# KiCad board reg.kicad_pcb (continued)
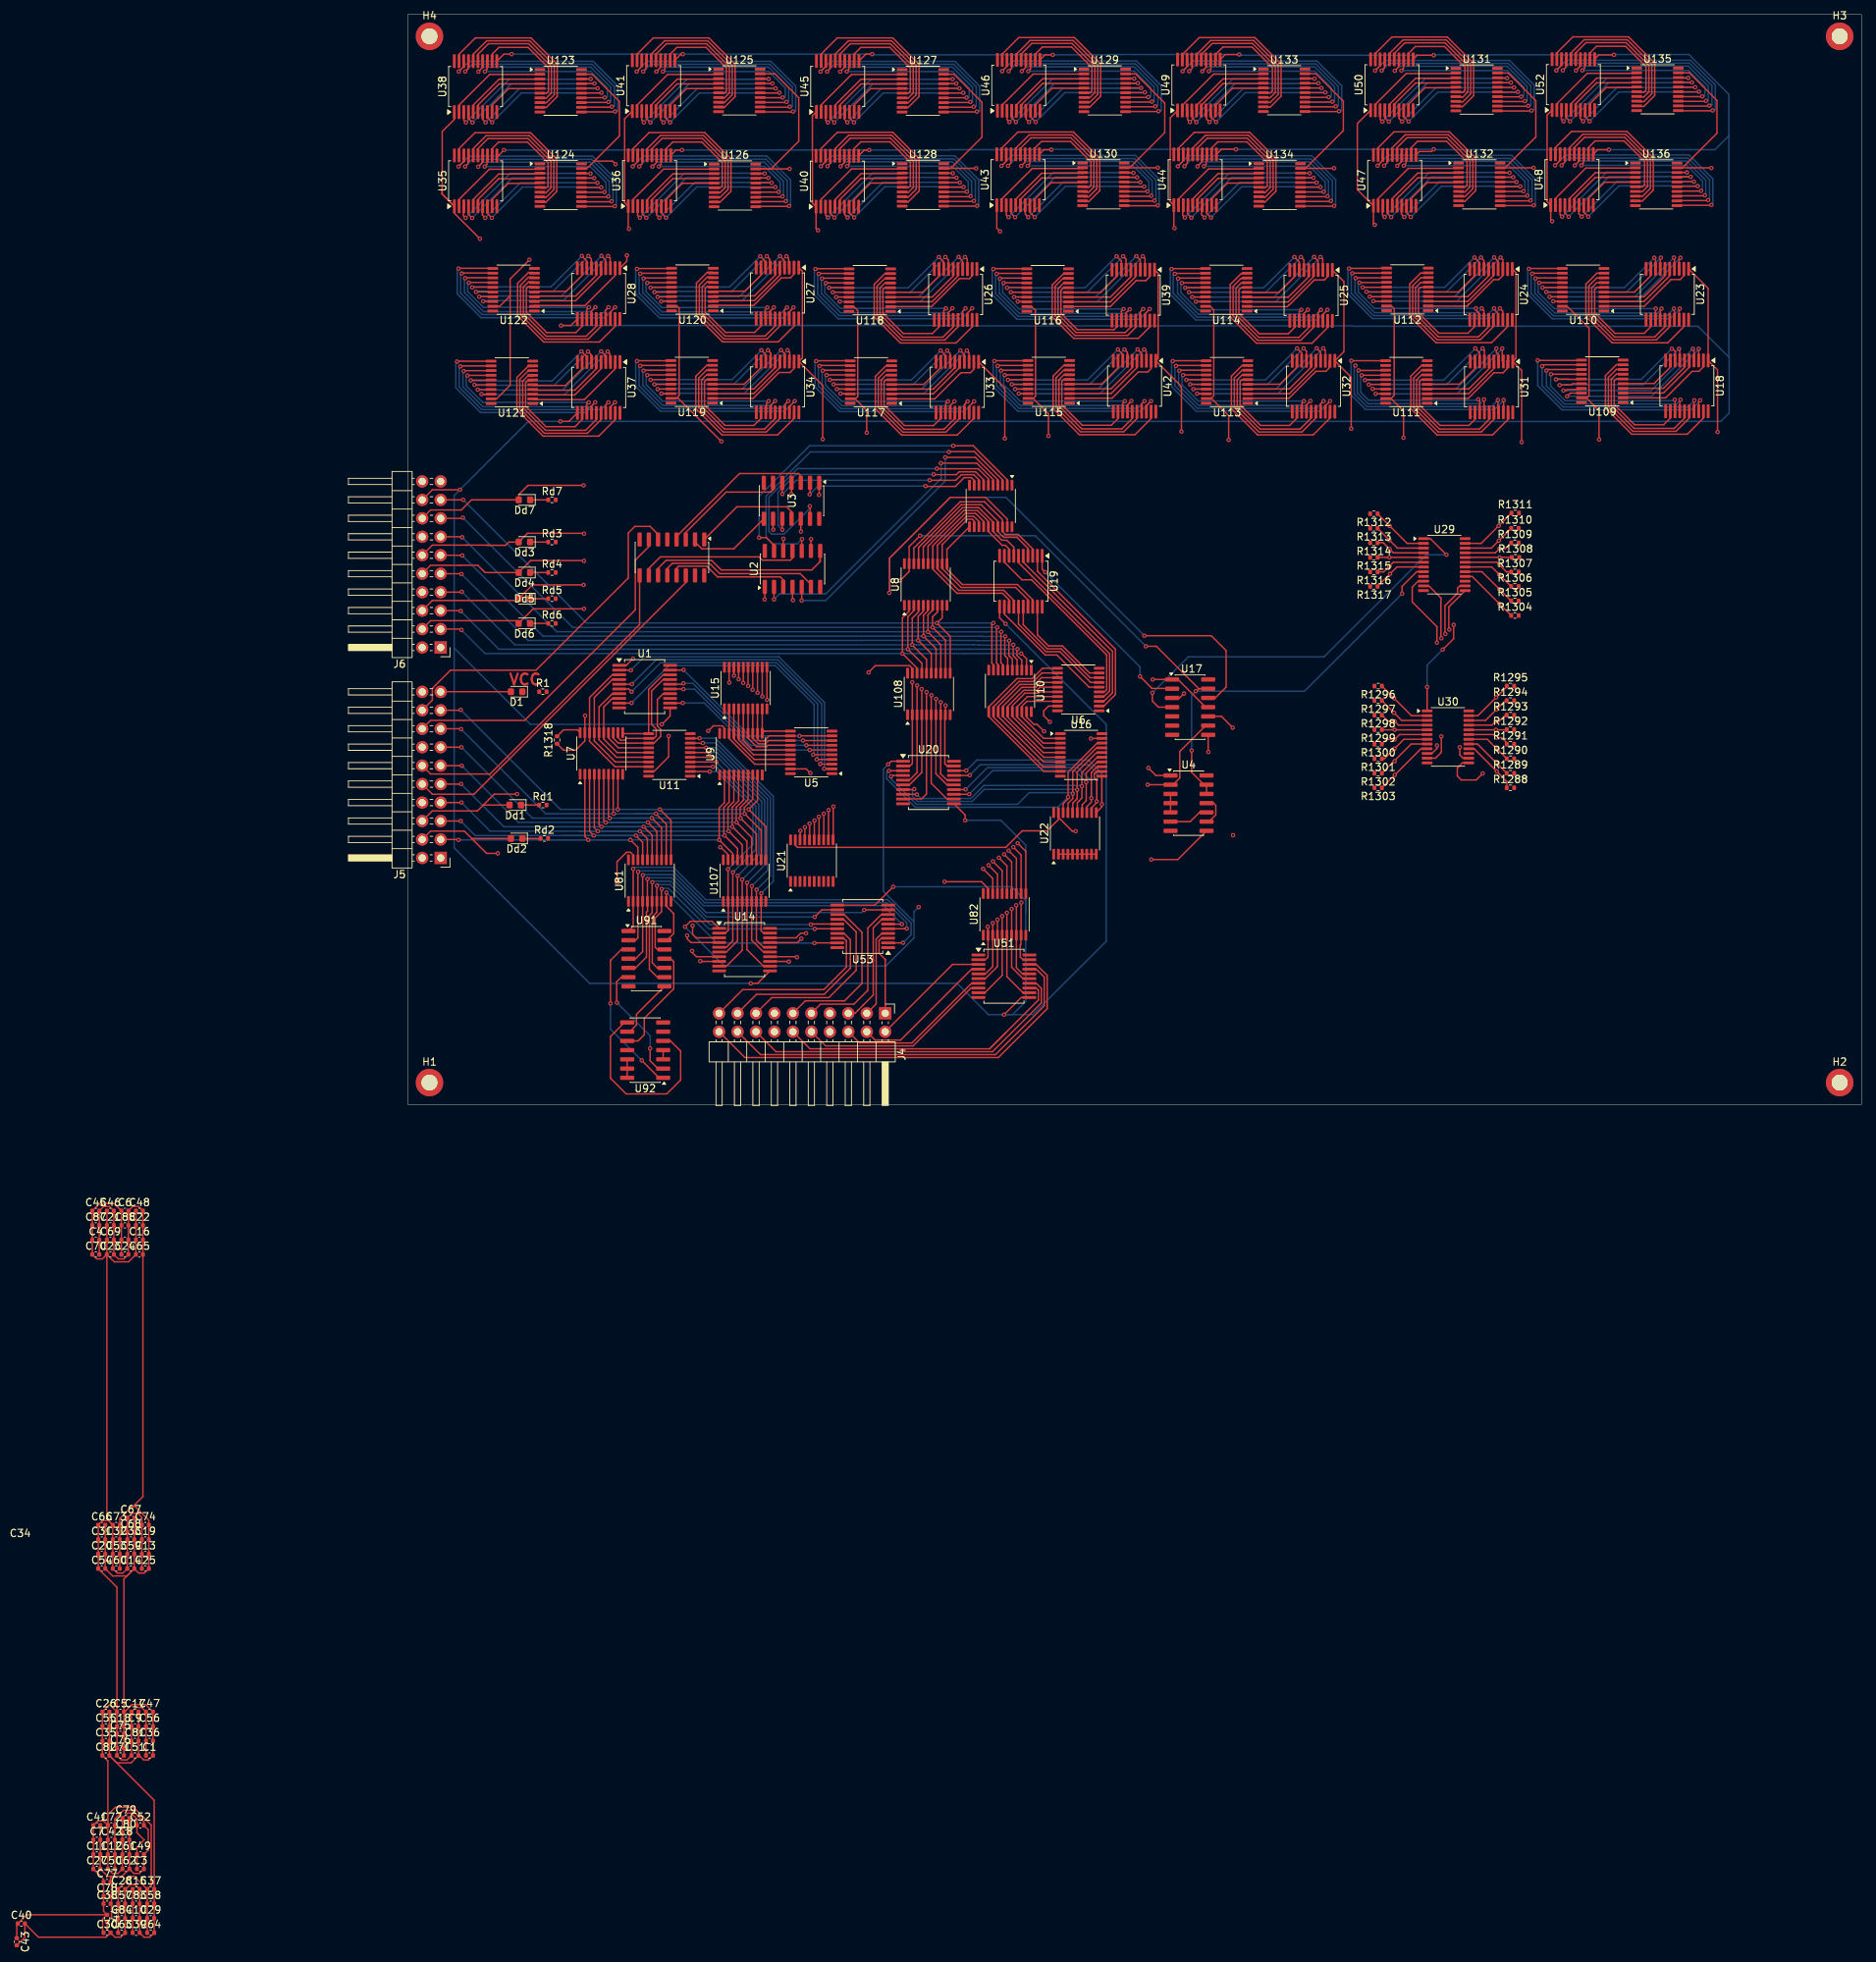
[diagram p0: board, top side]
## Routing (per net, layer and track width the routed paths; a pad name or vN(x,y) marks a point on that pad's centre or on a via; arc(x,y) is an arc through that point) (continued)
/data6: length 939.3
  Top w0.2: v1(27.61,96.62) 27.21,96.22 27.21,94.98 ; 8.32,143.8 8.32,142.56 v1(7.92,142.16) ; v1(7.24,101.57) 7.31,101.63 11.4,101.63 ; U18.17 176.96,96.84 v1(177.01,96.89) ; v1(52.57,137.32) 52.5,137.25 48.41,137.25 ; U31.17 149.98,95.35 v1(149.98,96.94) ; v1(133.99,142.28) 134.39,142.68 134.39,143.92 ; v1(28.09,137.32) 28.02,137.25 23.93,137.25 ; 109.85,101.7 105.76,101.7 v1(105.69,101.64) ; v1(154.16,137.44) 154.1,137.37 150,137.37 ; 36.15,101.7 32.06,101.7 v1(31.99,101.64) ; 76.62,95.11 76.62,96.35 v1(77.03,96.75) ; v1(7.35,51.65) 7.3,51.7 J5.15 ; v1(158.91,142.31) 159.31,142.71 159.31,143.95 ; v1(101.36,96.8) 100.96,96.4 100.96,95.15 ; 34.1,40.05 v1(34.15,40) 35.58,38.57 35.58,33.66 ; U107.12 48.62,37.72 v1(46.35,40) 46.3,40.05 46.3,40.85 47.47,42.02 U9.8 ; 73.71,137.25 77.8,137.25 v1(77.87,137.31) ; 85.31,101.7 81.22,101.7 v1(81.16,101.64) ; v1(56.64,101.64) 56.71,101.7 60.8,101.7 ; 83.08,143.85 83.08,142.61 v1(82.68,142.21) ; U7.8 28.27,40.07 v1(28.35,40) ; 174.92,137.4 179.01,137.4 v1(179.08,137.47) ; v1(126,96.8) 125.6,96.4 125.6,95.16 ; 32.8,143.8 32.8,142.56 v1(32.4,142.16) ; 98.69,137.3 102.78,137.3 v1(102.85,137.37) ; v1(156.06,101.59) 156.15,101.59 156.35,101.79 U109.12 ; v1(127.68,137.36) 127.61,137.3 123.52,137.3 ; 51.96,95.15 51.96,96.4 v1(52.36,96.8) ; v1(57.7,142.15) 58.1,142.55 58.1,143.8 ; v1(107.51,142.2) 107.91,142.6 107.91,143.85
  In3.Cu w0.2: v1(7.24,101.57) 3.27,101.57 2.7,102.14 2.7,135.56 4.46,137.32 v1(28.09,137.32)
  In4.Cu w0.2: 155.98,101.5 v1(156.06,101.59) 156.03,101.62 7.29,101.62 v1(7.24,101.57) 4.5,101.57 3.9,100.97 3.9,93.88 11.45,86.33 11.45,55.75 v1(7.35,51.65) ; v1(127.68,137.36) 154.08,137.36 v1(154.16,137.44) 179.05,137.44 v1(179.08,137.47) ; 138.52,137.36 112.57,137.36 112.56,137.37 86.22,137.37 86.17,137.31 86.16,137.32 57.5,137.32 57.5,137.32 v1(28.09,137.32)
  Bottom w0.2: v1(34.15,40) 19,40 v1(7.35,51.65) ; v1(57.7,142.15) 58.7,143.15 75.11,143.15 78.22,140.04 78.22,137.41 78.08,137.27 ; v1(107.51,142.2) 108.51,143.2 124.93,143.2 128.03,140.09 128.03,137.46 127.89,137.32 ; v1(149.98,96.94) 149.08,96.04 131.95,96.04 130.22,97.77 130.22,101.53 v1(130.38,101.69) ; v1(177.01,96.89) 176.11,95.99 158.98,95.99 156.06,98.91 156.06,100.74 156.06,100.75 156.06,101.59 v1(156.06,101.59) ; v1(82.68,142.21) 83.68,143.21 100.1,143.21 103.21,140.1 103.21,137.46 103.07,137.32 ; 31.98,101.68 31.84,101.54 31.84,98.91 34.94,95.8 51.36,95.8 v1(52.36,96.8) ; v1(7.92,142.16) 8.92,143.16 25.34,143.16 28.45,140.05 28.45,137.41 28.31,137.27 ; v1(27.61,96.62) 26.61,95.62 10.19,95.62 7.09,98.73 7.09,101.37 7.23,101.51 ; 31.2,40 v1(46.35,40) ; v1(77.03,96.75) 76.03,95.75 59.61,95.75 56.5,98.86 56.5,101.5 v1(56.64,101.64) ; v1(158.91,142.31) 159.91,143.31 176.33,143.31 179.43,140.2 179.43,137.56 179.29,137.42 ; v1(133.99,142.28) 134.99,143.28 151.41,143.28 154.52,140.17 154.52,137.53 154.38,137.39 ; 52.78,137.27 52.92,137.41 52.92,140.05 49.81,143.16 33.4,143.16 v1(32.4,142.16) ; v1(81.16,101.64) 81.02,101.5 81.02,98.89 84.11,95.8 100.36,95.8 v1(101.36,96.8) ; v1(105.69,101.64) 105.55,101.5 105.55,98.89 108.64,95.8 125,95.8 v1(126,96.8)
/data7: length 979.4
  Top w0.2: 60.8,102.35 56.25,102.35 v1(56.2,102.3) ; v1(128.12,136.7) 128.07,136.65 123.52,136.65 ; v1(7.02,142.16) 7.69,142.83 7.69,143.94 ; v1(28.53,136.65) 28.48,136.6 23.93,136.6 ; 150,136.72 154.55,136.72 v1(154.6,136.77) ; v1(133.09,142.28) 133.76,142.95 133.76,144.06 ; U31.18 150.78,95.3 v1(150.78,96.94) ; 36.15,102.35 31.6,102.35 v1(31.55,102.3) ; 158.68,144.09 158.68,142.97 v1(158.01,142.31) ; 109.85,102.35 105.3,102.35 v1(105.25,102.3) ; 101.6,95.01 101.6,96.13 v1(102.26,96.8) ; v1(81.78,142.21) 82.45,142.88 82.45,143.99 ; 49.28,33.65 49.28,38.22 v1(46.9,40.6) 48.12,41.82 U9.9 ; 57.47,143.94 57.47,142.82 v1(56.8,142.15) ; U7.9 28.92,40.62 v1(28.9,40.6) ; 27.84,94.84 27.84,95.95 v1(28.51,96.62) ; v1(106.61,142.2) 107.28,142.87 107.28,143.99 ; 174.92,136.75 179.47,136.75 v1(179.52,136.8) ; v1(155.45,102.4) 155.73,102.4 155.74,102.39 161.43,102.39 U109.11 ; v1(80.71,102.3) 80.76,102.35 85.31,102.35 ; v1(129.82,102.35) U111.11 ; 32.17,143.94 32.17,142.82 v1(31.5,142.16) ; 77.26,94.97 77.26,96.08 v1(77.92,96.75) ; 73.71,136.6 78.26,136.6 v1(78.31,136.65) ; v1(103.29,136.7) 103.24,136.65 98.69,136.65 ; v1(7.3,54.3) 7.24,54.24 J5.17 ; v1(53.01,136.65) 52.96,136.6 48.41,136.6 ; v1(126.9,96.8) 126.23,96.13 126.23,95.02 ; 52.59,95.01 52.59,96.13 v1(53.26,96.8) ; U81.11 36.23,39.07 v1(34.7,40.6) ; U18.18 177.61,96.69 v1(177.81,96.89) ; v1(6.8,102.24) 6.85,102.28 11.4,102.28
  In3.Cu w0.2: v1(6.8,102.24) 3.51,102.24 3.1,102.65 3.1,134.5 5.32,136.72 28.47,136.72 v1(28.53,136.65)
  In4.Cu w0.2: v1(128.12,136.7) 154.53,136.7 v1(154.6,136.77) 154.63,136.8 v1(179.52,136.8) ; v1(7.3,54.3) 11.05,58.05 11.05,86.16 3.5,93.71 3.5,101.68 4.06,102.24 v1(6.8,102.24) 6.96,102.4 v1(155.45,102.4) ; v1(28.53,136.65) 28.53,136.65 57.95,136.65 57.95,136.65 112.95,136.65 113.01,136.7 138.96,136.7 138.96,136.7
  Bottom w0.2: v1(56.8,142.15) 58.2,143.55 75.28,143.55 78.68,140.15 78.68,136.76 78.53,136.6 ; v1(106.61,142.2) 108.01,143.6 125.09,143.6 128.49,140.2 128.49,136.81 128.34,136.65 ; v1(81.78,142.21) 83.18,143.61 100.26,143.61 103.67,140.21 103.67,136.81 103.51,136.66 ; 25.77,96.62 24.37,95.22 10.03,95.22 6.63,98.62 6.63,102.02 6.78,102.17 ; v1(105.25,102.3) 105.09,102.15 105.09,98.79 108.48,95.4 125.5,95.4 v1(126.9,96.8) ; v1(7.3,54.3) 21,40.6 v1(34.7,40.6) ; 28.75,136.61 28.91,136.76 28.91,140.16 25.5,143.56 8.42,143.56 v1(7.02,142.16) ; v1(56.2,102.3) 56.04,102.15 56.04,98.75 59.44,95.35 76.53,95.35 v1(77.92,96.75) ; v1(46.9,40.6) 33.2,40.6 ; v1(155.45,102.4) 155.45,102.1 155.46,102.09 155.46,98.94 158.82,95.59 176.56,95.59 177.81,96.84 v1(177.81,96.89) ; v1(158.01,142.31) 159.41,143.71 176.49,143.71 179.89,140.3 179.89,136.91 179.74,136.75 ; v1(150.78,96.94) 150.78,96.89 149.53,95.64 131.79,95.64 129.78,97.65 129.78,102.31 v1(129.82,102.35) ; v1(31.5,142.16) 32.9,143.56 49.98,143.56 53.38,140.15 53.38,136.76 53.23,136.6 ; v1(53.26,96.8) 51.86,95.4 34.78,95.4 31.38,98.8 31.38,102.19 31.53,102.35 ; v1(133.09,142.28) 134.49,143.68 151.57,143.68 154.98,140.27 154.98,136.88 154.82,136.73 ; v1(102.26,96.8) 100.86,95.4 83.95,95.4 80.62,98.73 80.62,98.74 80.56,98.8 80.56,102.15 v1(80.71,102.3)
/data8: length 844.7
  Top w0.2: 150.66,114.91 150.66,116.26 v1(150.36,116.56) ; v1(57.82,122.06) 57.52,122.36 57.52,123.71 ; U120.18 34.9,110.52 v1(34.89,110.51) ; v1(99.84,128.21) 98.66,128.21 98.61,128.26 ; 132.81,110.54 132.83,110.51 134.06,110.51 ; 134.1,123.78 134.1,122.43 v1(134.4,122.13) ; 76.98,114.97 76.98,116.32 v1(76.68,116.62) ; v1(101.13,116.73) 101.43,116.43 101.43,115.08 ; 82.37,123.76 82.37,122.41 v1(82.67,122.11) ; v1(75,128.16) 73.82,128.16 73.77,128.21 ; v1(176,128.27) 174.82,128.27 ; J6.3 7.28,65.42 v1(7.4,65.3) ; U122.18 10.4,110.5 v1(10.38,110.53) ; v1(49.11,128.13) 47.93,128.13 47.88,128.18 ; U23.3 174.92,116.34 v1(175.1,116.53) ; v1(52.1,116.73) 52.4,116.43 52.4,115.09 ; v1(79.16,32.41) 80.49,31.09 U82.18 ; v1(125.59,116.62) 125.89,116.33 125.89,114.98 ; v1(83.93,110.5) 83.95,110.48 85.18,110.48 ; 27.86,115.12 27.86,116.47 v1(27.56,116.77) ; v1(124.1,128.15) 122.92,128.15 122.87,128.2 ; 158.52,123.83 158.52,122.48 v1(158.82,122.18) ; 150.35,128.28 150.4,128.23 v1(151.58,128.23) ; v1(106.92,122.06) 106.62,122.36 106.62,123.7 ; v1(157.6,110.53) 157.63,110.5 U110.18 ; v1(7.97,122.01) 7.67,122.31 7.67,123.66 ; 31.64,123.68 31.64,122.33 v1(31.94,122.03) ; U8.2 68.99,67.88 68.06,66.95 v1(68.06,62.05) 70.09,60.03 70.09,59.35 ; v1(25.15,128.11) 23.96,128.11 U124.18 ; v1(108.44,110.5) 108.46,110.47 109.69,110.47 ; 85.14,59.78 85.14,61.33 v1(84.41,62.06)
  In3.Cu w0.2: v1(10.38,110.53) 7.26,110.53 3.5,114.28 3.5,122.75 8.86,128.11 v1(25.15,128.11)
  In4.Cu w0.2: v1(176,128.27) 151.63,128.27 v1(151.58,128.23) 135.52,128.23 135.5,128.21 ; 135.5,128.21 135.64,128.21 ; 135.5,128.21 109.62,128.21 ; v1(25.15,128.11) 25.17,128.13 82.18,128.13 ; v1(79.16,32.41) 79.16,50.95 v1(68.06,62.05) ; 108.5,110.56 v1(108.44,110.5) ; 82.18,128.13 82.21,128.16 109.54,128.16 109.58,128.2 ; 82.18,128.13 82.46,128.13 82.48,128.1 ; v1(7.4,65.3) 10.65,68.55 10.65,85.99 3.1,93.54 3.1,105.99 7.63,110.53 v1(10.38,110.53) 10.45,110.45 157.53,110.45 v1(157.6,110.53)
  Bottom w0.2: 151.63,128.26 140.53,128.26 v1(134.4,122.13) ; v1(175.1,116.53) 169.1,110.53 v1(157.6,110.53) ; 176.05,128.31 164.95,128.31 v1(158.82,122.18) ; v1(59.45,110.49) 70.55,110.49 v1(76.68,116.62) ; 99.89,128.24 88.79,128.24 v1(82.67,122.11) ; v1(52.1,116.73) 45.98,110.61 34.88,110.61 ; v1(27.56,116.77) 21.43,110.64 10.33,110.64 ; v1(106.92,122.06) 113.05,128.18 124.15,128.18 ; v1(57.82,122.06) 63.95,128.19 75.05,128.19 ; v1(101.13,116.73) 94.9,110.5 v1(83.93,110.5) ; v1(125.59,116.62) 119.46,110.5 v1(108.44,110.5) ; v1(84.41,62.06) 76.77,62.06 76.76,62.05 v1(68.06,62.05) 10.65,62.05 v1(7.4,65.3) ; v1(150.36,116.56) 144.36,110.56 v1(132.86,110.56) ; 49.16,128.16 38.06,128.16 v1(31.94,122.03) ; 25.2,128.14 14.1,128.14 v1(7.97,122.01) ; v1(10.38,110.53) 10.28,110.42
/data9: length 855.2
  Top w0.2: U82.17 81.14,31.69 v1(79.91,32.91) ; U23.4 174.27,116.48 v1(174.21,116.54) ; v1(149.47,116.57) 150.01,116.03 150.01,114.91 ; 134.06,111.16 132.31,111.16 132.3,111.15 ; 11.6,111.17 9.85,111.17 v1(9.84,111.16) ; v1(75.79,116.63) 76.33,116.09 76.33,114.97 ; 8.32,123.66 8.32,122.54 v1(8.86,122) ; v1(107.82,122.05) 107.27,122.59 107.27,123.7 ; 60.7,111.12 58.95,111.12 v1(58.94,111.11) ; 73.75,127.53 75.5,127.53 v1(75.51,127.54) ; v1(51.21,116.75) 51.75,116.21 51.75,115.09 ; 150.33,127.6 152.08,127.6 v1(152.09,127.61) ; 47.86,127.5 49.61,127.5 v1(49.62,127.51) ; 174.75,127.65 176.5,127.65 v1(176.51,127.66) ; v1(100.24,116.74) 100.78,116.2 100.78,115.08 ; 84.49,59.78 84.49,61.13 83.81,61.81 83.81,62.58 v1(83.9,62.67) ; v1(159.72,122.17) 159.17,122.71 159.17,123.83 ; v1(34.38,111.13) 34.39,111.14 36.15,111.14 ; v1(124.61,127.54) 124.6,127.53 122.85,127.53 ; 27.21,115.12 27.21,116.24 v1(26.67,116.78) ; 109.69,111.12 107.94,111.12 v1(107.93,111.11) ; 70.74,59.35 70.74,60.72 v1(68.81,62.65) 68.81,67.13 69.64,67.95 U8.3 ; v1(7.3,67.9) 7.24,67.96 J6.5 ; 32.29,123.68 32.29,122.56 v1(32.83,122.02) ; 58.17,123.71 58.17,122.59 v1(58.72,122.05) ; v1(83.42,111.12) 83.43,111.13 85.18,111.13 ; 125.24,114.98 125.24,116.1 v1(124.7,116.64) ; 23.9,127.48 25.65,127.48 v1(25.66,127.49) ; v1(100.35,127.59) 100.34,127.58 98.59,127.58 ; 83.02,123.76 83.02,122.64 v1(83.56,122.1) ; v1(135.3,122.12) 134.75,122.66 134.75,123.78 ; v1(157.09,111.14) 157.1,111.15 U110.17
  In3.Cu w0.2: v1(25.66,127.49) 8.84,127.49 3.9,122.55 3.9,114.45 7.18,111.16 v1(9.84,111.16)
  In4.Cu w0.2: v1(157.09,111.14) 157.06,111.16 v1(9.84,111.16) ; v1(176.51,127.66) 176.46,127.61 v1(152.09,127.61) ; 9.87,111.13 v1(9.84,111.16) ; v1(9.84,111.16) 7.1,111.16 2.7,106.77 2.7,93.38 10.25,85.83 10.25,70.85 v1(7.3,67.9) ; v1(68.81,62.65) 79.91,51.55 v1(79.91,32.91) ; 164.56,127.61 136.28,127.61 136.21,127.54 110.19,127.54 110.14,127.59 83.99,127.59 83.94,127.54 55.17,127.54 55.12,127.49 v1(25.66,127.49) ; 132.28,111.11 v1(132.35,111.17)
  Bottom w0.2: v1(58.94,111.11) 70.26,111.11 v1(75.79,116.63) ; v1(174.21,116.54) 168.81,111.14 v1(157.09,111.14) ; 75.56,127.57 64.24,127.57 v1(58.72,122.05) ; 34.37,111.22 45.69,111.22 v1(51.21,116.75) ; v1(32.83,122.02) 38.35,127.55 49.68,127.55 ; v1(159.72,122.17) 165.24,127.69 176.56,127.69 ; 25.71,127.53 14.39,127.53 v1(8.86,122) ; 9.82,111.26 21.14,111.26 v1(26.67,116.78) ; v1(135.3,122.12) 140.82,127.65 152.14,127.65 ; v1(107.82,122.05) 113.34,127.57 124.66,127.57 ; 100.4,127.62 89.08,127.62 v1(83.56,122.1) ; v1(100.24,116.74) 94.61,111.12 v1(83.42,111.12) ; v1(7.3,67.9) 12.55,62.65 v1(68.81,62.65) 83.88,62.65 v1(83.9,62.67) ; v1(107.93,111.11) 107.94,111.1 119.16,111.1 v1(124.7,116.64) ; v1(132.35,111.17) 144.07,111.17 v1(149.47,116.57)
/data10: length 823
  Top w0.2: 136.7,123.78 136.7,122.53 v1(137.1,122.13) ; v1(73.98,116.62) 74.38,116.22 74.38,114.97 ; v1(80.51,33.45) 81.79,32.18 U82.16 ; v1(60.52,122.06) 60.12,122.46 60.12,123.71 ; 123.29,114.98 123.29,116.22 v1(122.89,116.62) ; v1(125.05,126.87) 125.05,126.88 122.85,126.88 ; v1(26.1,126.82) 26.09,126.83 23.9,126.83 ; 10.27,123.66 10.27,122.41 v1(10.67,122.01) ; 25.26,115.12 25.26,116.37 v1(24.86,116.77) ; 134.06,111.81 131.86,111.81 131.86,111.82 ; v1(83.31,63.26) 83.3,63.24 83.3,61.75 83.84,61.22 83.84,59.78 ; 71.39,59.35 71.39,61.24 69.41,63.21 v1(69.41,63.25) 69.41,66.92 70.29,67.79 U8.4 ; v1(100.79,126.92) 100.79,126.93 98.59,126.93 ; U23.7 172.32,116.44 v1(172.4,116.53) ; J6.7 7.4,70.5 v1(7.45,70.55) ; v1(58.5,111.78) 58.51,111.77 60.7,111.77 ; v1(107.48,111.78) 107.49,111.77 109.69,111.77 ; v1(85.37,122.11) 84.97,122.51 84.97,123.76 ; v1(161.52,122.18) 161.12,122.58 161.12,123.83 ; 148.06,114.91 148.06,116.16 v1(147.66,116.56) ; 36.15,111.79 33.95,111.79 v1(33.94,111.8) ; 47.86,126.85 50.06,126.85 v1(50.07,126.84) ; 150.33,126.95 152.53,126.95 v1(152.53,126.94) ; 34.24,123.68 34.24,122.43 v1(34.64,122.03) ; 109.22,123.7 109.22,122.46 v1(109.62,122.06) ; 11.6,111.83 9.4,111.83 v1(9.4,111.83) ; 174.75,127 176.95,127 v1(176.95,126.99) ; v1(98.43,116.73) 98.83,116.33 98.83,115.08 ; v1(75.95,126.87) 75.95,126.88 73.75,126.88 ; v1(82.98,111.78) 82.98,111.78 85.18,111.78 ; v1(49.4,116.73) 49.8,116.33 49.8,115.09 ; U110.16 156.65,111.8 v1(156.65,111.81)
  In3.Cu w0.2: v1(26.1,126.82) 26.03,126.89 8.84,126.89 4.3,122.35 4.3,114.62 7.08,111.83 v1(9.4,111.83)
  In4.Cu w0.2: v1(156.65,111.81) 156.62,111.77 9.45,111.77 v1(9.4,111.83) 6.66,111.83 2.3,107.48 2.3,93.21 9.85,85.66 9.85,72.95 v1(7.45,70.55) ; 136.5,126.92 110.58,126.92 110.53,126.87 84.39,126.87 84.36,126.84 26.12,126.84 v1(26.1,126.82) ; 136.5,126.92 136.59,126.92 ; 136.5,126.92 136.52,126.94 v1(152.53,126.94) 152.58,126.99 v1(176.95,126.99) ; 69.41,63.21 69.41,63.21 v1(69.41,63.25) ; v1(69.41,63.25) 69.41,63.2 69.41,63.2 ; v1(69.41,63.25) 80.51,52.15 v1(80.51,33.45) ; v1(131.9,111.84) 131.84,111.78 ; 107.33,111.63 v1(107.48,111.78)
  Bottom w0.2: v1(34.64,122.03) 39.48,126.88 50.12,126.88 ; 26.15,126.86 15.52,126.86 v1(10.67,122.01) ; v1(7.45,70.55) 14.75,63.25 v1(69.41,63.25) 69.43,63.26 69.98,63.26 69.98,63.26 70.48,63.26 70.48,63.26 77.85,63.26 77.86,63.25 78.61,63.25 78.64,63.22 83.28,63.22 v1(83.31,63.26) ; v1(122.89,116.62) 118.04,111.78 v1(107.48,111.78) ; 76,126.91 65.37,126.91 v1(60.52,122.06) ; 177,127.03 166.37,127.03 v1(161.52,122.18) ; 100.85,126.96 90.21,126.96 v1(85.37,122.11) ; 9.38,111.92 20.02,111.92 v1(24.86,116.77) ; v1(73.98,116.62) 69.13,111.78 v1(58.5,111.78) ; v1(137.1,122.13) 141.95,126.98 152.58,126.98 ; v1(49.4,116.73) 44.56,111.89 33.93,111.89 ; v1(82.98,111.78) 93.48,111.78 v1(98.43,116.73) ; v1(172.4,116.53) 167.68,111.81 v1(156.65,111.81) ; v1(147.66,116.56) 142.94,111.84 v1(131.9,111.84) ; v1(109.62,122.06) 114.47,126.9 125.1,126.9
/data11: length 835
  Top w0.2: 161.76,123.97 161.76,122.85 v1(162.42,122.18) ; v1(146.76,116.56) 147.41,115.91 147.41,114.91 ; J6.9 7.36,73.04 v1(7.4,73) ; 98.2,114.94 98.2,116.06 v1(97.53,116.73) ; 174.75,126.35 177.44,126.35 v1(177.47,126.39) ; 122.85,126.23 125.54,126.23 v1(125.57,126.26) ; v1(26.62,126.22) 26.58,126.18 23.9,126.18 ; 47.86,126.2 50.55,126.2 v1(50.59,126.24) ; 60.7,112.42 58.01,112.42 v1(57.98,112.38) ; U25.8 122.66,115.96 v1(121.99,116.62) ; v1(11.57,122.01) 10.9,122.68 10.9,123.8 ; 73.75,126.23 76.44,126.23 v1(76.47,126.27) ; 36.15,112.44 33.46,112.44 v1(33.42,112.4) ; v1(101.32,126.32) 101.28,126.28 98.59,126.28 ; 85.6,123.9 85.6,122.78 v1(86.27,122.11) ; v1(171.5,116.53) 171.54,116.56 171.67,116.56 171.67,116.56 U23.8 171.7,115.03 ; 24.63,114.98 24.63,116.1 v1(23.96,116.77) ; 73.75,114.84 73.75,115.95 v1(73.08,116.62) ; 131.33,112.43 131.37,112.46 134.06,112.46 ; v1(156.13,112.41) 156.16,112.45 U110.15 ; v1(8.87,112.44) 8.91,112.47 11.6,112.47 ; 109.86,123.84 109.86,122.73 v1(110.52,122.06) ; U8.5 70.94,67.88 70.23,67.17 v1(70.23,63.86) 72.04,62.05 72.04,59.35 ; 83.19,59.78 83.19,61.3 82.71,61.78 82.71,63.79 v1(82.75,63.82) ; 85.18,112.43 82.49,112.43 v1(82.45,112.39) ; 60.76,123.85 60.76,122.73 v1(61.42,122.06) ; v1(35.54,122.03) 34.87,122.7 34.87,123.82 ; 137.34,123.92 137.34,122.8 v1(138,122.13) ; v1(81.33,33.94) 82.44,32.84 U82.15 ; 150.33,126.3 153.02,126.3 v1(153.05,126.34) ; v1(106.96,112.39) 107,112.42 109.69,112.42 ; 49.17,114.95 49.17,116.07 v1(48.5,116.73)
  In3.Cu w0.2: v1(26.62,126.22) 25.9,125.5 8.05,125.5 7.78,125.23 7.77,125.23 4.7,122.16 4.7,114.78 7.04,112.44 v1(8.87,112.44)
  In4.Cu w0.2: 165.52,126.34 137.25,126.34 137.17,126.26 111.15,126.26 111.1,126.32 84.96,126.32 84.91,126.27 56.14,126.27 56.09,126.22 v1(26.62,126.22) ; v1(153.05,126.34) 177.43,126.34 v1(177.47,126.39) ; v1(7.4,73) 9.45,75.05 9.45,85.5 1.9,93.05 1.9,108.2 6.13,112.44 v1(8.87,112.44) 131.11,112.44 131.12,112.45 156.09,112.45 v1(156.13,112.41) ; v1(70.23,63.86) 81.33,52.76 v1(81.33,33.94) ; 131.32,112.39 v1(131.38,112.45)
  Bottom w0.2: v1(131.38,112.45) 142.65,112.45 v1(146.76,116.56) ; v1(70.23,63.86) 62.42,63.86 62.41,63.85 16.55,63.85 v1(7.4,73) ; v1(70.23,63.86) 69.95,63.86 69.95,63.86 ; v1(70.23,63.86) 70.24,63.85 78.39,63.85 78.43,63.81 82.74,63.81 v1(82.75,63.82) ; v1(70.23,63.86) 70.22,63.85 ; 50.64,126.27 39.77,126.27 35.54,122.05 v1(35.54,122.03) ; 26.67,126.25 15.8,126.25 11.57,122.03 v1(11.57,122.01) ; v1(156.13,112.41) 167.39,112.41 v1(171.5,116.53) ; 8.86,112.53 19.73,112.53 23.96,116.76 v1(23.96,116.77) ; v1(121.99,116.62) 117.74,112.38 106.97,112.38 v1(106.96,112.39) ; v1(86.27,122.11) 86.27,122.12 90.49,126.35 101.37,126.35 ; v1(73.08,116.62) 73.08,116.61 68.85,112.38 v1(57.98,112.38) ; 153.1,126.37 142.23,126.37 138,122.15 v1(138,122.13) ; 76.52,126.3 65.65,126.3 61.42,122.07 v1(61.42,122.06) ; 33.4,112.5 44.28,112.5 48.5,116.72 v1(48.5,116.73) ; 177.52,126.42 166.65,126.42 162.42,122.19 v1(162.42,122.18) ; 125.62,126.3 114.75,126.3 110.52,122.07 v1(110.52,122.06) ; v1(97.53,116.73) 93.19,112.39 v1(82.45,112.39)
/data12: length 850.5
  Top w0.2: v1(32.96,113.06) 32.99,113.09 36.15,113.09 ; v1(155.67,113.07) 155.7,113.1 U110.14 ; 137.33,130.84 137.33,129.49 v1(137.03,129.19) ; v1(82.06,34.41) 83.09,33.39 U82.14 ; v1(57.52,113.04) 57.55,113.07 60.7,113.07 ; 24.63,108.06 24.63,109.41 v1(24.93,109.71) ; U8.6 71.59,67.95 70.96,67.33 v1(70.96,64.45) 72.69,62.73 72.69,59.35 ; v1(109.55,129.12) 109.85,129.42 109.85,130.76 ; v1(7.5,75.55) 7.47,75.58 J6.11 ; v1(171.7,109.53) 171.67,109.49 U23.13 ; v1(177.93,125.73) 177.9,125.7 174.75,125.7 ; v1(82,113.05) 82.03,113.08 85.18,113.08 ; v1(49.48,109.68) 49.18,109.38 49.18,108.03 ; v1(98.49,109.47) 98.19,109.17 98.19,107.82 ; v1(76.93,125.61) 76.9,125.58 73.75,125.58 ; v1(60.45,129.12) 60.75,129.42 60.75,130.77 ; 98.59,125.63 101.74,125.63 v1(101.77,125.66) ; 109.69,113.07 106.54,113.07 v1(106.51,113.04) ; v1(82.21,64.41) 82.15,64.35 82.15,61.78 82.54,61.38 82.54,59.78 ; v1(27.08,125.56) 27.05,125.53 23.9,125.53 ; 122.65,107.72 122.65,109.06 v1(122.95,109.36) ; 11.6,113.12 8.45,113.12 v1(8.42,113.1) ; v1(74.05,109.56) 73.75,109.26 73.75,107.92 ; v1(10.6,129.07) 10.9,129.37 10.9,130.72 ; 122.85,125.58 126,125.58 v1(126.03,125.61) ; 130.88,113.08 130.91,113.11 134.06,113.11 ; v1(161.45,129.24) 161.75,129.54 161.75,130.89 ; 150.33,125.65 153.48,125.65 v1(153.51,125.68) ; 34.86,130.74 34.86,129.39 v1(34.56,129.09) ; 85.59,130.82 85.59,129.47 v1(85.29,129.17) ; v1(146.96,109.56) 146.96,109.31 147.41,108.86 147.41,107.91 ; 47.86,125.55 51.01,125.55 v1(51.04,125.58) ; 147.47,107.83 147.47,107.83
  In3.Cu w0.2: v1(8.42,113.1) 6.95,113.1 5.1,114.95 5.1,122 7.93,124.83 7.95,124.83 8.21,125.1 26.61,125.1 v1(27.08,125.56)
  In4.Cu w0.2: 106.36,112.89 v1(106.51,113.04) 106.57,113.11 ; v1(7.5,75.55) 9.05,77.1 9.05,85.33 1.5,92.88 1.5,108.92 5.68,113.1 v1(8.42,113.1) 8.46,113.05 155.65,113.05 v1(155.67,113.07) ; 137.55,125.66 137.57,125.68 v1(153.51,125.68) 153.56,125.73 v1(177.93,125.73) ; 137.55,125.66 111.56,125.66 111.51,125.61 85.36,125.61 85.33,125.58 27.1,125.58 v1(27.08,125.56) ; 137.55,125.66 137.57,125.66 ; v1(70.96,64.45) 82.06,53.35 v1(82.06,34.41) 82.06,34.41
  Bottom w0.2: v1(60.45,129.12) 74.97,129.12 77.12,126.96 77.12,125.79 76.98,125.64 ; 177.98,125.76 178.12,125.91 178.12,127.08 175.97,129.24 v1(161.45,129.24) ; 78.96,64.41 78.95,64.43 70.99,64.43 v1(70.96,64.45) ; 78.96,64.41 78.97,64.4 82.2,64.4 v1(82.21,64.41) ; 78.96,64.41 78.97,64.41 ; v1(24.93,109.71) 10.42,109.71 8.26,111.87 8.26,113.04 8.4,113.19 ; v1(109.55,129.12) 124.07,129.12 126.22,126.96 126.22,125.78 126.08,125.64 ; v1(98.49,109.47) 84.12,109.47 81.85,111.73 81.85,112.9 v1(82,113.05) ; v1(137.03,129.19) 151.55,129.19 153.7,127.03 153.7,125.86 153.56,125.71 ; v1(171.7,109.53) 157.75,109.53 155.53,111.75 155.53,112.93 v1(155.67,113.07) ; 51.1,125.61 51.24,125.76 51.24,126.93 49.08,129.09 v1(34.56,129.09) ; v1(106.51,113.04) 106.36,112.9 106.36,111.73 108.73,109.36 v1(122.95,109.36) ; v1(146.96,109.56) 133.01,109.56 130.78,111.79 130.78,112.96 v1(130.93,113.11) ; v1(85.29,129.17) 99.81,129.17 101.97,127.01 101.97,125.84 101.82,125.69 ; v1(70.96,64.45) 70.95,64.46 ; v1(70.96,64.45) 70.95,64.46 18.59,64.46 v1(7.5,75.55) ; v1(49.48,109.68) 34.96,109.68 32.8,111.84 32.8,113.01 32.95,113.15 ; 27.13,125.59 27.27,125.74 27.27,126.91 25.11,129.07 v1(10.6,129.07) ; v1(57.52,113.04) 57.38,112.9 57.38,111.72 59.54,109.56 v1(74.05,109.56)
/data13: length 904.4
  Top w0.2: 81.89,59.78 81.89,60.51 81.61,60.79 81.61,65 v1(81.66,65.06) ; v1(84.4,129.16) 84.94,129.7 84.94,130.82 ; 174.75,125.05 178.38,125.05 v1(178.45,125.12) ; v1(32.45,113.67) 32.52,113.74 36.15,113.74 ; 109.2,130.76 109.2,129.65 v1(108.66,129.1) ; v1(172.5,109.53) 172.32,109.34 U23.14 ; 10.25,130.72 10.25,129.6 v1(9.71,129.06) ; 73.75,124.93 77.38,124.93 v1(77.45,125) ; U82.13 83.74,33.86 v1(82.68,34.92) ; 85.18,113.73 81.55,113.73 v1(81.48,113.66) ; 11.6,113.78 7.97,113.78 v1(7.9,113.71) ; v1(59.56,129.11) 60.1,129.65 60.1,130.77 ; U110.13 155.22,113.75 v1(155.15,113.68) ; v1(123.84,109.38) 123.3,108.83 123.3,107.72 ; v1(147.76,109.56) 148.06,109.26 148.06,107.91 ; 122.85,124.93 126.48,124.93 v1(126.55,124.99) ; 74.4,107.92 74.4,109.03 v1(74.94,109.58) ; 60.7,113.72 57.07,113.72 v1(57.01,113.65) ; v1(136.14,129.18) 136.68,129.72 136.68,130.84 ; v1(51.56,124.97) 51.49,124.9 47.86,124.9 ; 134.06,113.76 130.43,113.76 130.36,113.69 ; 49.83,108.03 49.83,109.15 v1(50.37,109.69) ; v1(7.5,78.05) 7.43,78.12 J6.13 ; v1(160.56,129.23) 161.1,129.77 161.1,130.89 ; v1(25.83,109.72) 25.28,109.18 25.28,108.06 ; 150.33,125 153.96,125 v1(154.03,125.07) ; v1(102.29,125.05) 102.22,124.98 98.59,124.98 ; v1(27.59,124.95) 27.53,124.88 23.9,124.88 ; 98.84,107.82 98.84,108.94 v1(99.33,109.43) ; v1(33.67,129.08) 34.21,129.62 34.21,130.74 ; 73.34,59.35 73.34,63.26 v1(71.57,65.03) 71.57,67.37 72.24,68.03 U8.7 ; v1(105.99,113.65) 106.06,113.72 109.69,113.72
  In3.Cu w0.2: v1(27.59,124.95) 27.34,124.7 8.38,124.7 8.11,124.43 8.1,124.43 5.5,121.83 5.5,115.11 6.91,113.71 v1(7.9,113.71)
  In4.Cu w0.2: v1(154.03,125.07) 178.4,125.07 v1(178.45,125.12) ; v1(7.5,78.05) 8.65,79.2 8.65,85.17 1.1,92.72 1.1,109.65 5.16,113.71 v1(7.9,113.71) 7.9,113.71 155.13,113.71 v1(155.15,113.68) ; 106.05,113.72 v1(105.99,113.65) ; v1(71.57,65.03) 82.68,53.93 v1(82.68,34.92) 82.67,34.93 ; 166.49,125.07 138.22,125.07 138.14,124.99 112.13,124.99 112.07,125.05 85.93,125.05 85.88,125 57.11,125 57.03,124.92 27.63,124.92 v1(27.59,124.95)
  Bottom w0.2: v1(172.5,109.53) 172.5,109.48 171.95,108.92 157.79,108.92 155.07,111.64 155.07,113.6 v1(155.15,113.68) ; v1(108.66,129.1) 109.27,129.72 124.03,129.72 126.68,127.07 126.68,125.11 126.6,125.03 ; v1(7.5,78.05) 20.5,65.05 71.55,65.05 v1(71.57,65.03) ; 178.5,125.15 178.58,125.24 178.58,127.19 175.93,129.84 161.17,129.84 v1(160.56,129.23) ; v1(84.4,129.16) 85.01,129.77 99.77,129.77 102.42,127.12 102.42,125.17 102.34,125.08 ; v1(81.66,65.06) 81.64,65.03 v1(71.57,65.03) ; v1(33.67,129.08) 34.29,129.69 49.05,129.69 51.7,127.04 51.7,125.09 51.61,125 ; v1(9.71,129.06) 10.32,129.67 25.08,129.67 27.73,127.02 27.73,125.07 27.65,124.98 ; v1(71.57,65.03) 71.33,65.03 71.31,65.05 ; v1(57.01,113.65) 56.92,113.57 56.92,111.61 59.57,108.96 74.33,108.96 v1(74.94,109.58) ; v1(99.33,109.43) 98.77,108.87 84.15,108.87 81.4,111.62 81.4,113.57 v1(81.48,113.66) ; v1(105.99,113.65) 105.91,113.57 105.91,112.79 105.91,112.79 105.91,111.61 108.76,108.76 123.22,108.76 v1(123.84,109.38) ; v1(136.14,129.18) 136.75,129.79 151.51,129.79 154.16,127.14 154.16,125.19 154.08,125.1 ; v1(147.76,109.56) 147.76,109.51 147.21,108.96 133.04,108.96 130.33,111.68 130.33,113.63 v1(130.41,113.72) ; 32.43,113.77 32.35,113.68 32.35,111.73 35,109.08 49.76,109.08 v1(50.37,109.69) ; 77.5,125.03 77.58,125.12 77.58,127.07 74.93,129.72 60.17,129.72 v1(59.56,129.11) ; v1(25.83,109.72) 25.21,109.11 10.45,109.11 7.8,111.76 7.8,113.71 7.89,113.8
/data14: length 942.4
  Top w0.2: v1(56.55,114.31) 56.61,114.37 60.7,114.37 ; 81.24,59.78 81.24,60.51 81.01,60.74 81.01,65.56 v1(81.11,65.66) ; 129.9,114.35 129.97,114.41 134.06,114.41 ; 150.01,107.91 150.01,108.86 149.46,109.41 v1(149.46,109.56) ; U23.17 174.27,109.46 v1(174.2,109.53) ; v1(134.33,129.19) 134.73,129.59 134.73,130.84 ; v1(52.02,124.32) 51.96,124.25 47.86,124.25 ; 150.33,124.35 154.42,124.35 v1(154.49,124.42) ; v1(178.91,124.46) 178.84,124.4 174.75,124.4 ; v1(7.9,129.07) 8.3,129.47 8.3,130.72 ; v1(102.75,124.39) 102.68,124.33 98.59,124.33 ; 159.15,130.89 159.15,129.64 v1(158.75,129.24) ; v1(7.44,114.36) 7.51,114.42 11.6,114.42 ; 32.26,130.74 32.26,129.49 v1(31.86,129.09) ; U110.12 154.76,114.4 v1(154.69,114.34) ; v1(7.6,80.75) 7.51,80.66 J6.15 ; 76.35,107.92 76.35,109.16 v1(76.75,109.56) ; 73.99,59.35 73.99,63.88 v1(72.21,65.65) 72.21,67.1 72.89,67.78 U8.8 ; 100.79,107.82 100.79,109.07 v1(101.19,109.47) ; v1(82.59,129.17) 82.99,129.57 82.99,130.82 ; v1(127.01,124.34) 126.94,124.28 122.85,124.28 ; 27.23,108.06 27.23,109.31 v1(27.63,109.71) ; 109.69,114.37 105.59,114.37 v1(105.53,114.31) ; 107.25,130.76 107.25,129.52 v1(106.85,129.12) ; 73.75,124.28 77.84,124.28 v1(77.91,124.34) ; v1(57.75,129.12) 58.15,129.52 58.15,130.77 ; v1(31.99,114.33) 32.05,114.39 36.15,114.39 ; U82.12 84.39,34.33 v1(83.32,35.4) ; v1(125.65,109.36) 125.25,108.96 125.25,107.72 ; 51.78,108.03 51.78,109.28 v1(52.18,109.68) ; 85.18,114.38 81.09,114.38 v1(81.02,114.31) ; v1(28.05,124.3) 27.99,124.23 23.9,124.23